# Altium PCB 11-红外遥控接收器模块--电路板图.PcbDoc
Units mm, origin at the board's own origin, x right, y up, seen from the top; angles counter-clockwise.
Board outline 36 x 36 mm, 2 copper layers (Top Layer, Bottom Layer); 4 components, 3 nets, 22 pads, 1 vias.
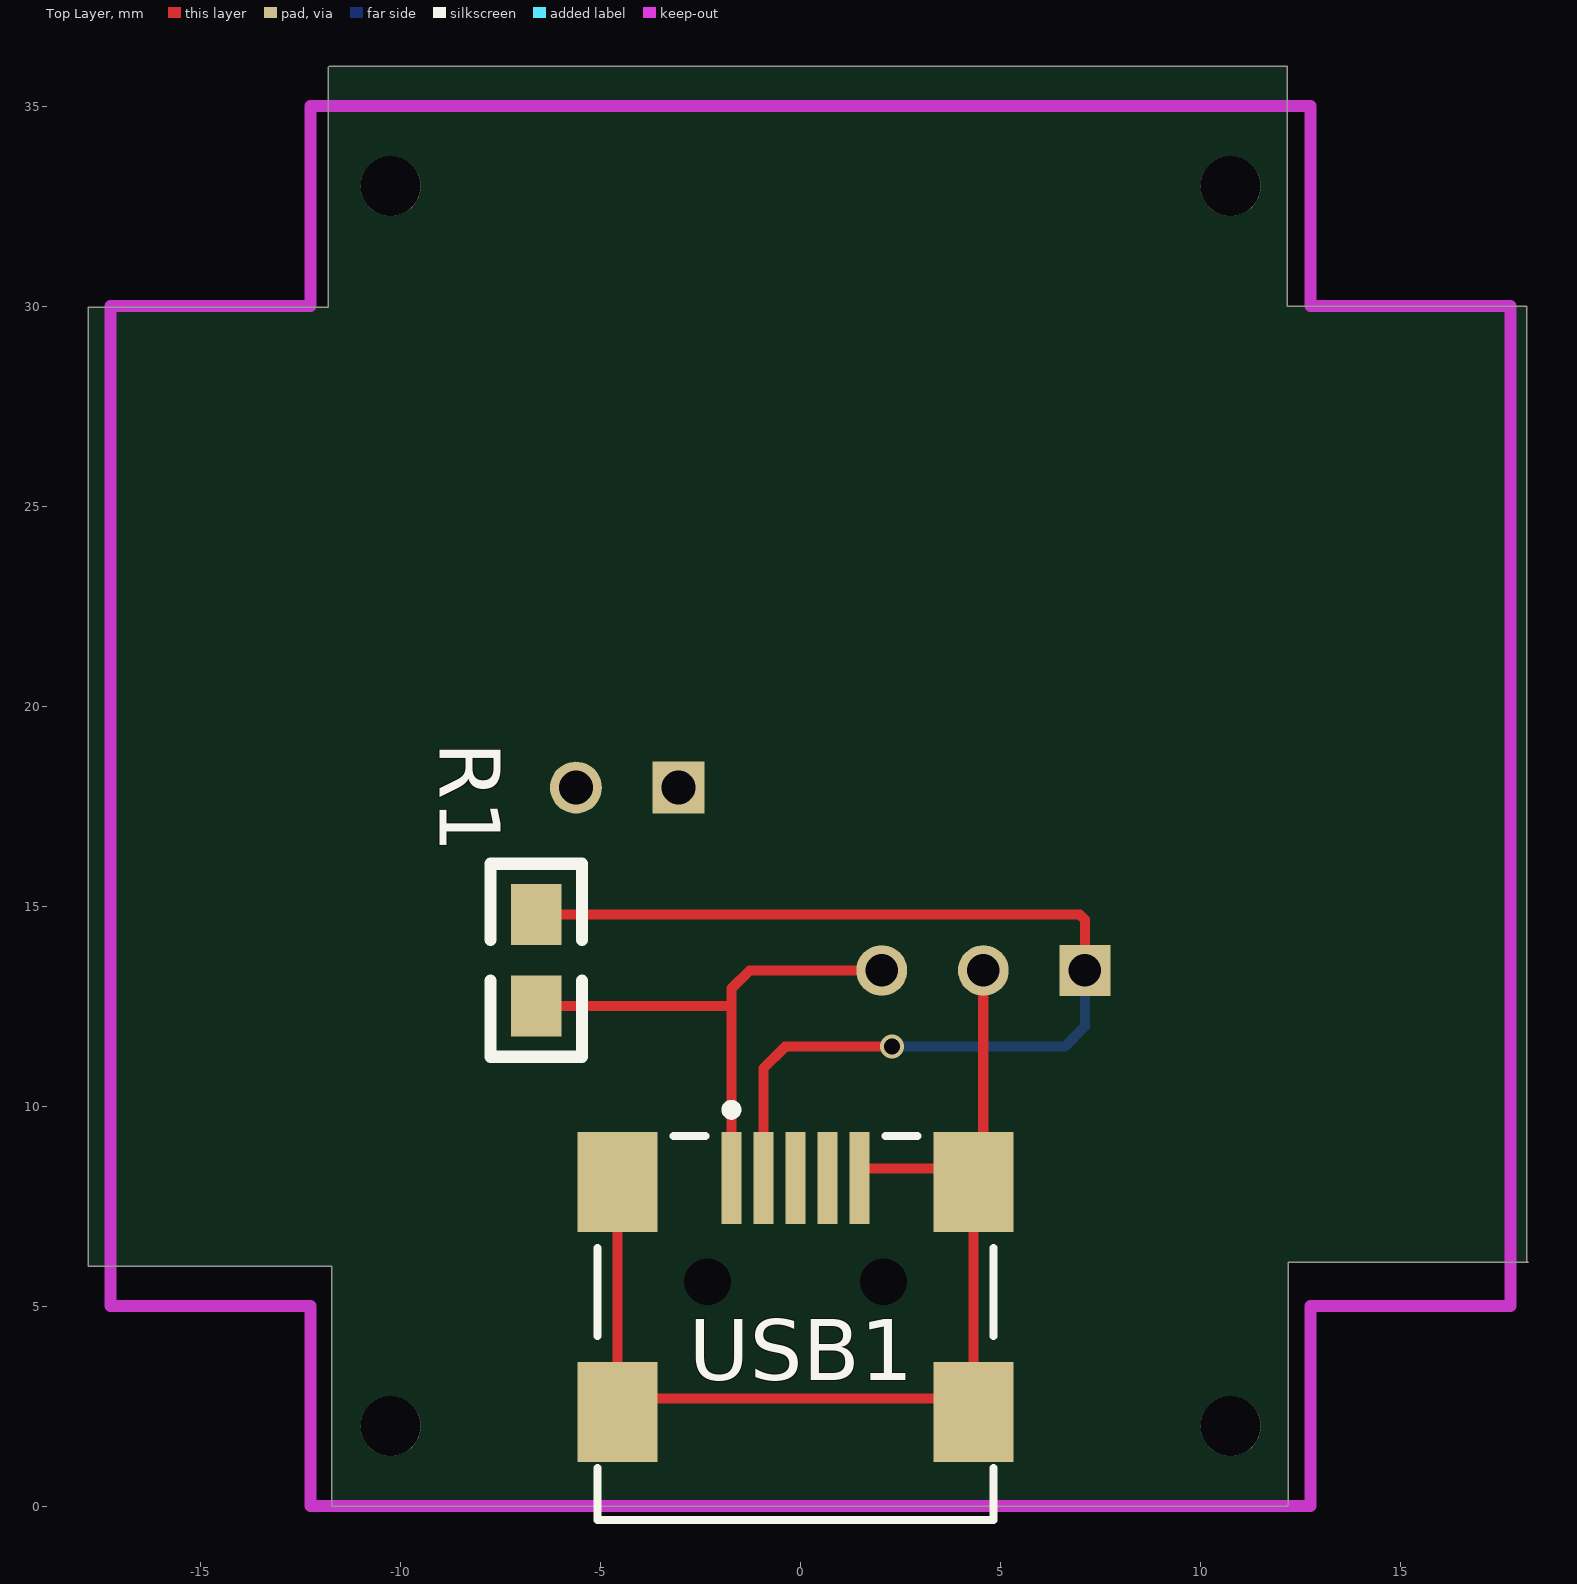
[diagram p0: Top Layer view]
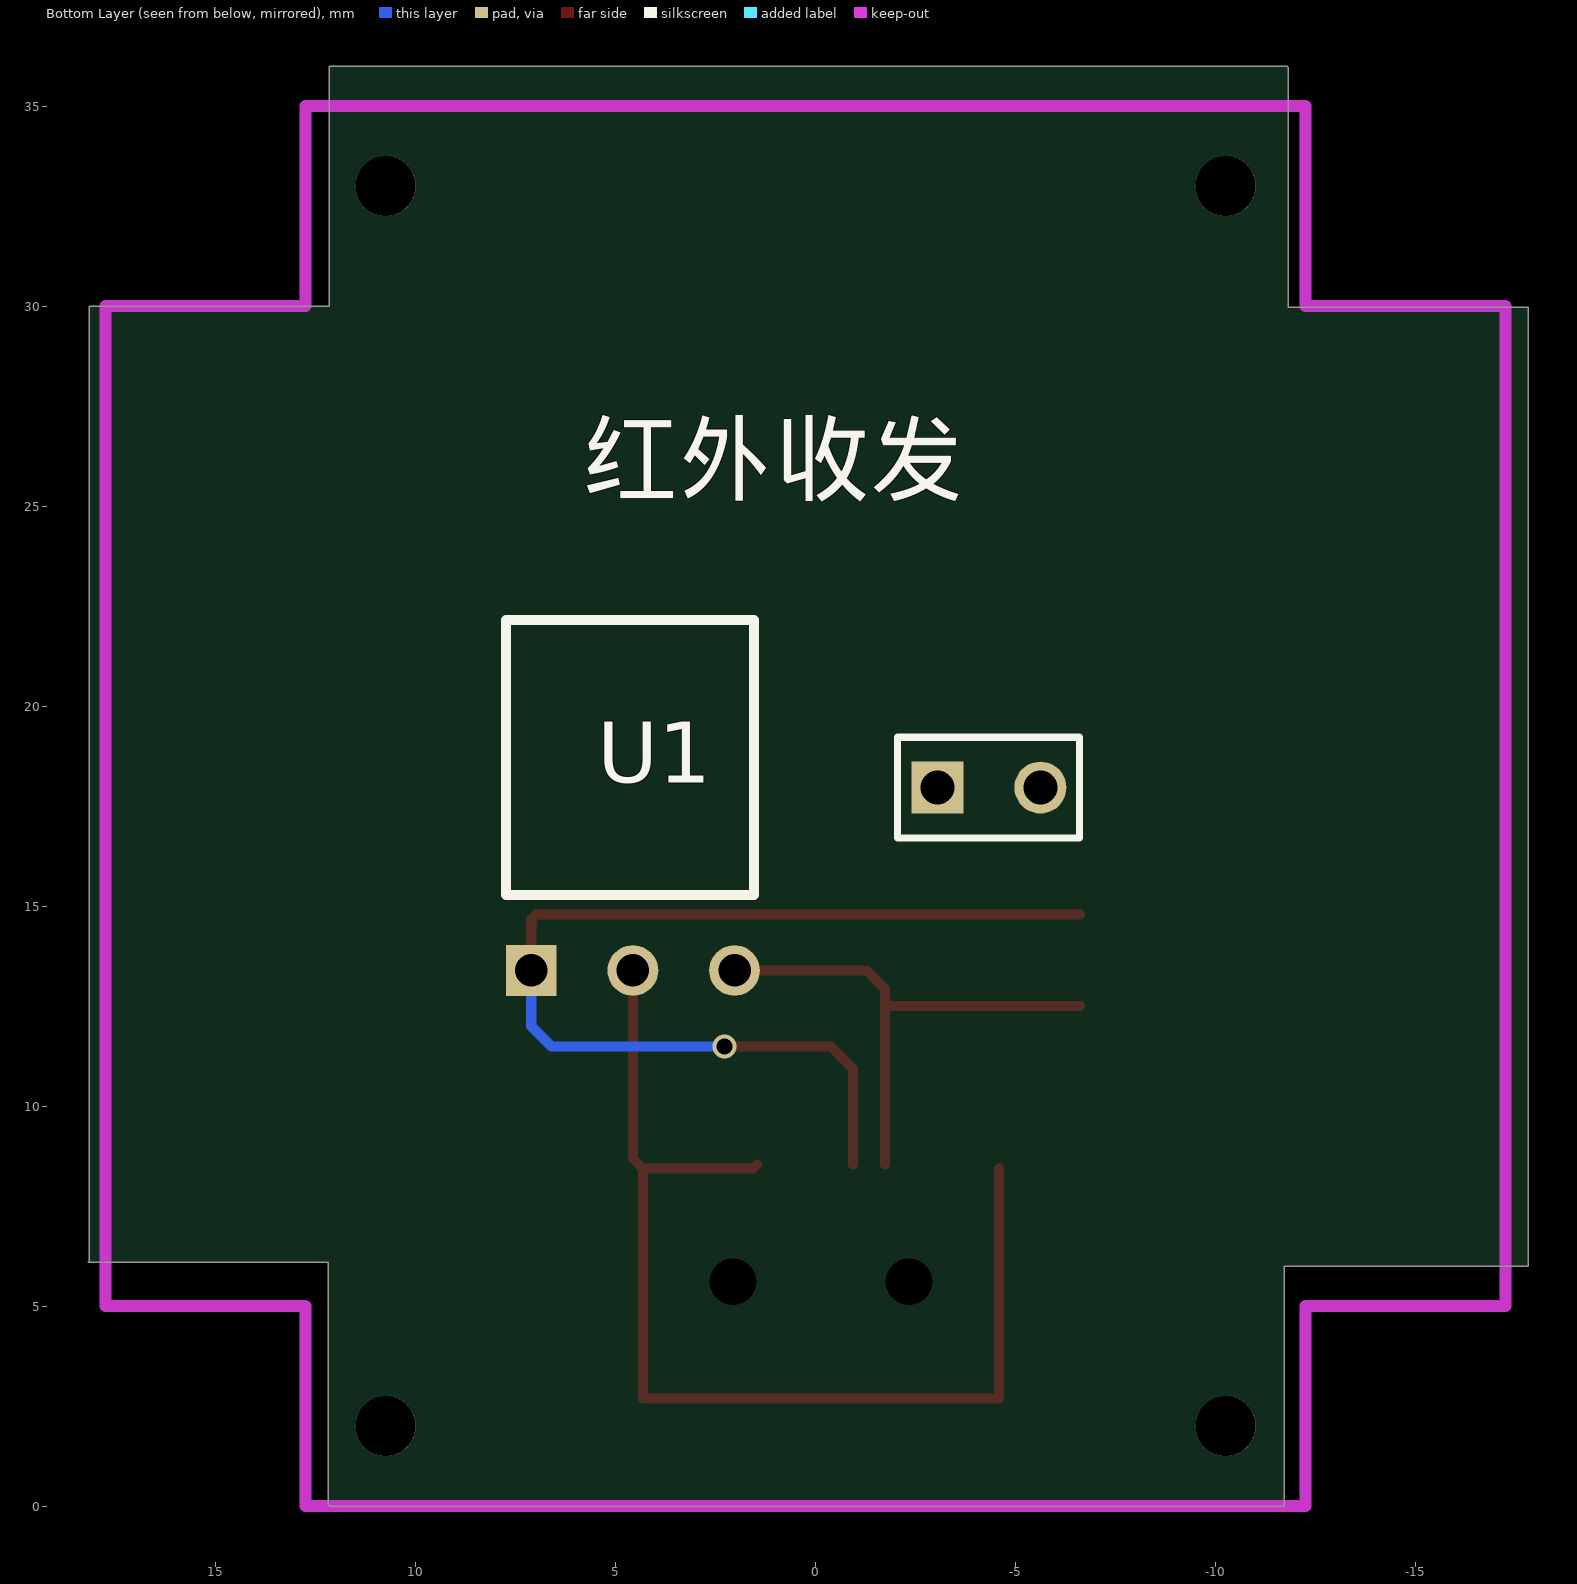
[diagram p1: Bottom Layer view, seen from below]

## Layer stack, top to bottom
Top Solder: solder mask 0.0102, Solder Resist, Dk 3.5
Top Layer: signal copper 0.0356
Dielectric1: dielectric 0.32, FR-4, Dk 4.8
Bottom Layer: signal copper 0.0356
Bottom Solder: solder mask 0.0102, Solder Resist, Dk 3.5

## Board outline
-11.808,35.969 -11.777,36 12.164,36 12.164,30 18.161,30 18.161,6.127 18.192,6.096 12.192,6.096 12.192,0.028 12.164,0 -11.712,0 -11.712,6 -17.808,6 -17.808,29.972 -11.808,29.972

## Design rules (kind name [scope] priority, off if disabled: settings)
Clearance [All] p1: gap=0.254
PolygonConnect [All] p1: connectstyle=Relief reliefconductorwidth=0.254 reliefentries=4 polygonreliefangle="90 Angle" airgapwidth=0.254
RoutingVias [All] p1: holewidth=0.4 width=0.6 viastyle="Through Hole" minholewidth=0.4 minwidth=0.6 maxholewidth=0.4 maxwidth=0.6
SilkToSolderMaskClearance SilkscreenOverComponentPads [IsPad] p1: minsilkscreentomaskgap=0.254 clearancetoexposedcopper=TRUE
SolderMaskExpansion [All] p1: expansion=0.102
Width [All] p1: maxlimit=0.254 minlimit=0.254 preferedwidth=0.254
29 further rules are at their usual default settings.

## Classes and differential pairs
component class 红外传接收感器: R1 U1 USB1

## Components (designator, comment, footprint, x,y, rotation, side; value= is the part's Value field where it differs from the comment)
R1 "res2" 0805 -6.604,12.502 r90 top
U1 "HS0038" HS0038 6.858,20.884 r180 bottom
USB1 "USB" USB/SM0.8-6H5 -0.254,5.82 r90 top
? "" 2.0-2PA -3.175,17.963 r90 bottom

## Footprints (in the part's own frame and the unit in brackets; to place one, negate y for a bottom-side part, rotate by r counter-clockwise, add the part's x,y. Pads: shape width x height; smd on the part's side, far side on the other; paste and mask are expansions set on the pad)
2.0-2PA [mm]
  rect 1.3x1.3 hole 0.85: 1(0,0.127)
  round 1.3 hole 0.85: 2(0,-2.438)
0805 [mil]
  rect 60x50 smd: 1(0,-0.06) 2(90,-0.06)
  silkscreen extent -50,-45 140,45
HS0038 [mil]
  rect 50x50 hole 32: 1(-10,-295)
  round 50 hole 32: 2(90,-295) 3(190,-295)
  silkscreen extent -35,-221 209,50
USB/SM0.8-6H5 [mm]
  rect 2.3x0.5 smd: 1(2.389,1.473) 2(2.389,0.673) 3(2.389,-0.127) 4(2.389,-0.927) 5(2.389,-1.727)
  rect 2.5x2 smd: 5(-3.465,-4.577) 5(-3.465,4.323) 5(2.289,4.323) 5(2.289,-4.577)
  round 0.6 hole 1.17 unplated: MH1(-0.211,-2.327) MH2(-0.211,2.073)
  silkscreen extent -6.16,-5.08 4.21,4.82

## Part data
R1: "Resistor"
USB1: library part USB5

## Free pads (board coordinates)
  round 1.5 hole 1.5: 0(-10.246,2) 0(-10.246,33) 0(10.754,2) 0(10.754,33)

## Via types
v1: diameter 0.6, hole 0.4, Top Layer to Bottom Layer, 1 vias

## Nets (pads, with @x,y where several pads share a name; then routed paths per layer and width w, separated by ;. In a path a pad name is that pad's centre, name@x,y a point inside that pad or via, vN(x,y) a via of type N, cw(c..) or ccw(c..) an arc to the next point about the centre after c; other vN are vias at no path point)
GND: U1.2 USB1.5 | length 28.4
  Top Layer w0.254: USB1.5@-4.577,8.441 -4.577,8.109 -4.577,2.687 4.323,2.687 USB1.5@4.323,8.441 ; USB1.5@1.473,8.541 1.573,8.441 USB1.5@4.323,8.441 ; U1.2 4.572,8.69 USB1.5@4.323,8.441
NetR1_2: R1.2 U1.1 USB1.2 | length 27.3
  Top Layer w0.254: R1.2 6.985,14.788 7.112,14.661 U1.1 ; USB1.2@-0.927,8.541 -0.927,10.94 -0.381,11.486 v1(2.286,11.486)
  Bottom Layer w0.254: v1(2.286,11.486) 6.604,11.486 7.112,11.994 U1.1
VCC: R1.1 U1.3 USB1.1 | length 13.2
  Top Layer w0.254: R1.1 -1.727,12.502 ; USB1.1@-1.727,8.541 -1.727,12.502 ; U1.3 -1.27,13.391 -1.727,12.934 -1.727,12.502
pads on no net: ?.1 ?.2 USB1.3 USB1.4 USB1.MH1 USB1.MH2

## Keep-outs
Keep-Out Layer:
  lines w0.3: -11.712,0 12.164,0 ; -17.246,5 -17.246,30 -12.246,30 -12.246,35 12.754,35 12.754,30 17.754,30 17.754,5 12.754,5 12.754,0 -12.246,0 -12.246,5 -17.246,5

## Silkscreen, mask and mechanical layers (free items; w line width, h text height)
Bottom Overlay:
  lines w0.178: -6.591,16.706 -2.045,16.706 -2.045,19.221 -6.591,19.221 -6.591,16.706
  text "红外收发" at 5.842,24.765 h3